# Altium PCB PCB.PcbDoc (continued)
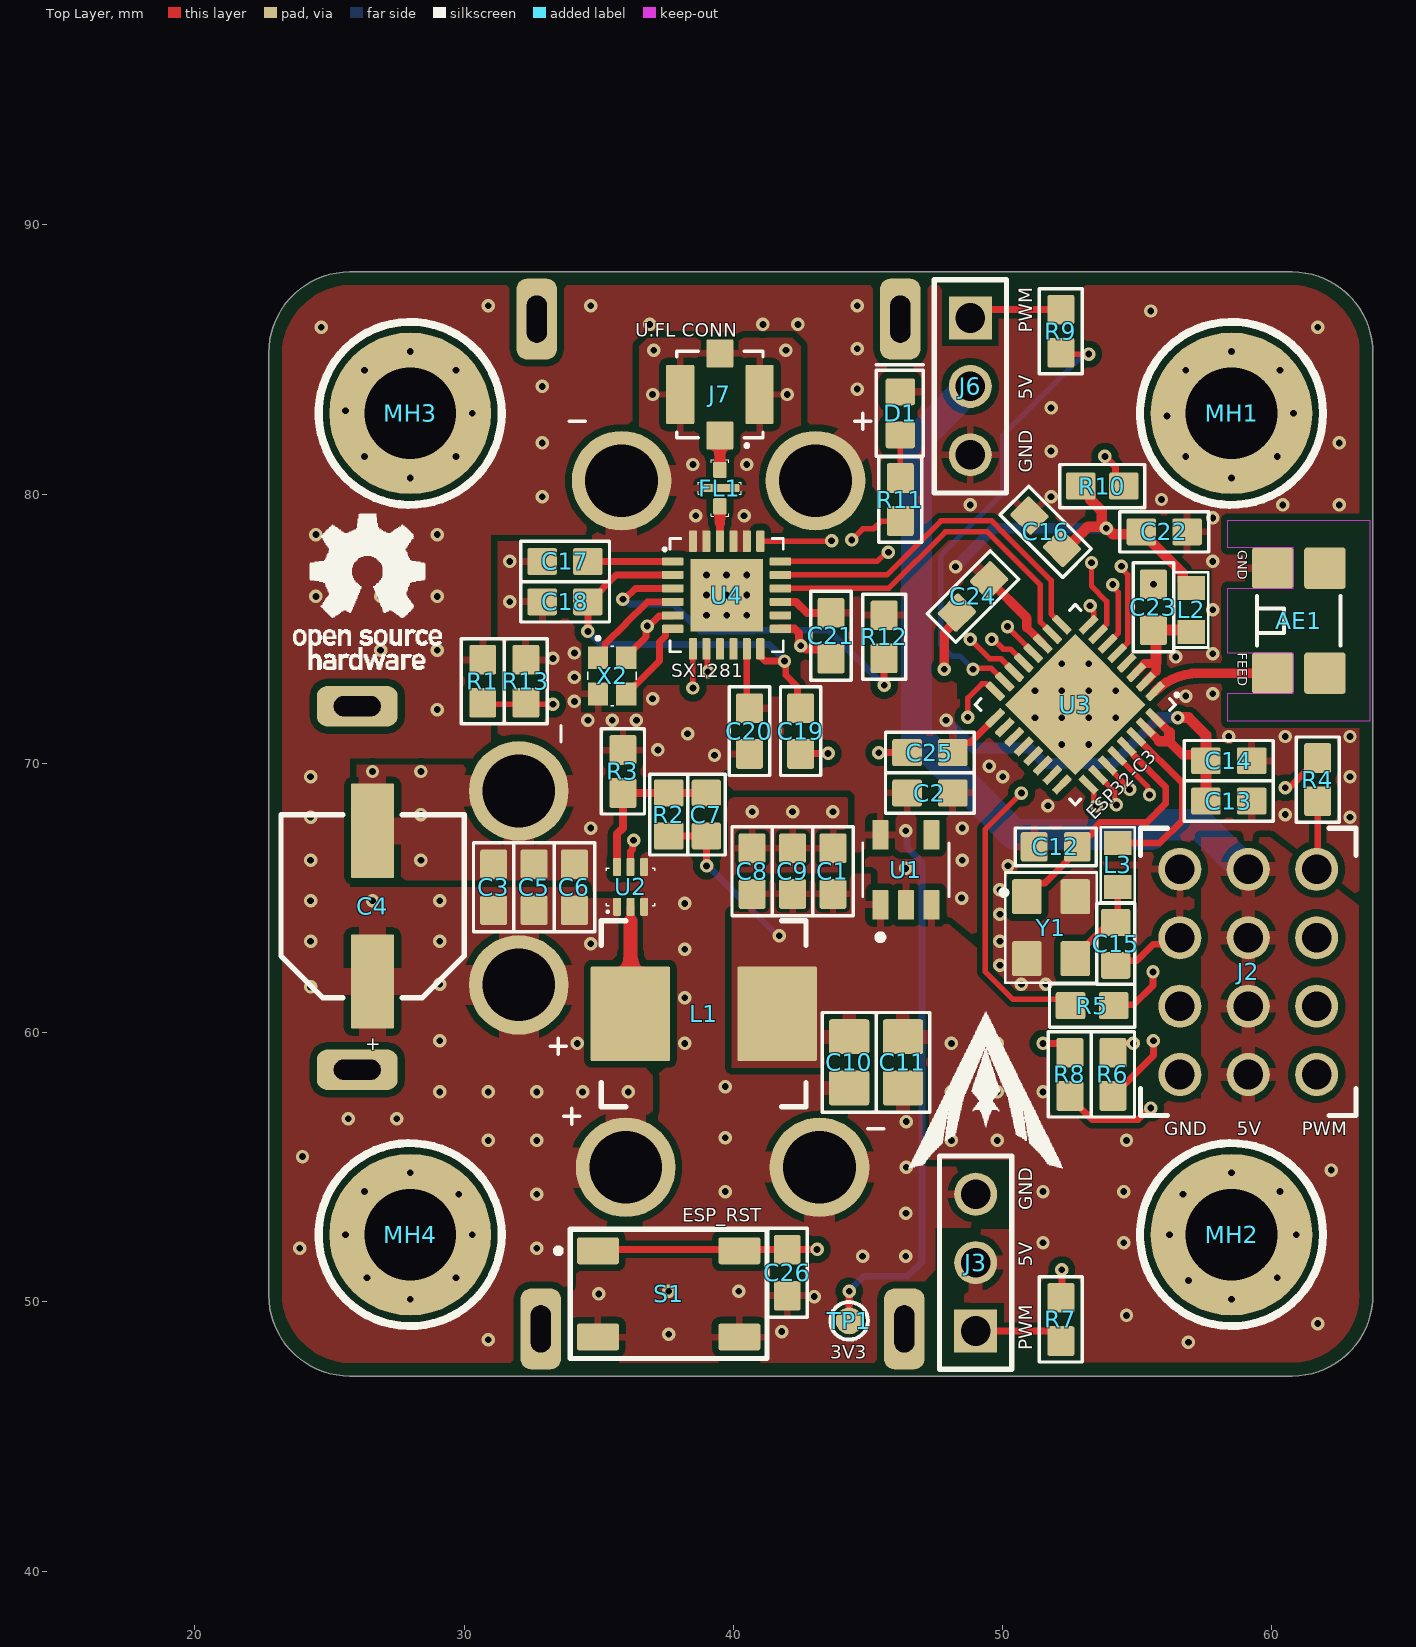
[diagram p0: Top Layer view]
## Footprints (in the part's own frame and the unit in brackets; to place one, negate y for a bottom-side part, rotate by r counter-clockwise, add the part's x,y. Pads: shape width x height; smd on the part's side, far side on the other; paste and mask are expansions set on the pad) (continued)
  rect 3.7x3.7 smd paste-1.4: 33(0,0)
  silkscreen extent -2.97,-2.63 2.63,2.63, body extent -2.5,-2.5 2.5,2.5, height 0.9
FP-0603-L_1_6_0_1-W_0_8_0-IPC_A [mm]
  rrect15% 1.1x1 smd: 1(-0.85,0) 2(0.85,0)
  silkscreen extent -1.65,-0.75 1.65,0.75, body extent -0.87,-0.45 0.87,0.5, height 0.87
IND_GENERIC_0603_MURATA [mm]
  rect 0.89x1.02 smd mask+0.05: 1(-0.814,0) 2(0.814,0)
  silkscreen extent -1.4,-0.64 1.4,0.64, body extent -0.8,-0.4 0.8,0.4, height 1
M3HOLE-STANDARD-Footprint-1 [mm]
  round 6 hole 3.4: 1(0,0)
  silkscreen extent -3.4,-3.4 3.4,3.4
PTS647SN38SMTR2LFS [mm]
  rrect15% 1.55x1 smd mask+0.1: 1(-2.625,1.6) 2(2.625,1.6) 3(-2.625,-1.6) 4(2.625,-1.6)
  silkscreen extent -4.2,-2.4 3.65,2.4, body extent -3.25,-2.25 3.25,2.25, height 3.8
RES0603 [mm] "SMT Resistor 0603"
  rrect15% 1x1.1 smd: 1(-0.8,0) 2(0.8,0)
  silkscreen extent -1.5,-0.7 1.5,0.7, body extent -0.8,-0.4 0.8,0.4, height 0.46
SOT-23-5 [mm]
  rrect10% 1.1x0.6 smd: 1(-1.3,0.95) 2(-1.3,0) 3(-1.3,-0.95) 4(1.3,-0.95) 5(1.3,0.95)
  silkscreen extent -2.61,-1.6 1,1.6, body extent -1.4,-1.45 1.4,1.45, height 1.45
SRP7028A-1R8M-Footprint-1 [mm]
  rrect3% 2.95x3.5 smd: 1(-2.725,0) 2(2.725,0)
  silkscreen extent -3.8,-3.45 3.8,3.45, body extent -3.45,-3.3 3.45,3.3, height 2.81
SX1281IMLTRT-Footprint-1 [mm]
  rect 2.7x2.7 smd paste-2539.97 mask+0.05: 0(0,0)
  rrect25% 0.8x0.3 smd paste-0.05 mask+0.05: 1(-2,1.25) 2(-2,0.75) 3(-2,0.25) 4(-2,-0.25) 5(-2,-0.75) 6(-2,-1.25) 13(2,-1.25) 14(2,-0.75) 15(2,-0.25) 16(2,0.25) 17(2,0.75) 18(2,1.25)
  rrect25% 0.3x0.8 smd paste-0.05 mask+0.05: 7(-1.25,-2) 8(-0.75,-2) 9(-0.25,-2) 10(0.25,-2) 11(0.75,-2) 12(1.25,-2) 19(1.25,2) 20(0.75,2) 21(0.25,2) 22(-0.25,2) 23(-0.75,2) 24(-1.25,2)
  silkscreen extent -2.35,-2.1 2.1,2.1, body extent -2.01,-1.99 1.99,2.01, height 1
TESTINGPOINT_1MM-Footprint-1 [mm]
  round 1 all layers, no hole: 1(0,0)
  silkscreen extent -0.7,-0.7 0.7,0.7
TPS564247DRLR-Footprint-1 [mm]
  rrect33% 0.67x0.3 smd mask+0.05: 1(-0.74,0.5) 2(-0.74,0) 3(-0.74,-0.5) 4(0.74,-0.5) 5(0.74,0) 6(0.74,0.5)
  silkscreen extent -0.93,-0.9 0.7,0.9, body extent -0.8,-0.78 0.8,0.78, height 0.6
TSW-104-07-T-T-Footprint-1 [mm]
  round 1.6 hole 1.1 mask+0.1: 1(-3.81,2.54) 2(-1.27,2.54) 3(1.27,2.54) 4(3.81,2.54) 5(-3.81,0) 6(-1.27,0) 7(1.27,0) 8(3.81,0) 9(-3.81,-2.54) 10(-1.27,-2.54) 11(1.27,-2.54) 12(3.81,-2.54)
  silkscreen extent -5.33,-4 5.33,4, body extent -5.09,-3.74 5.07,3.75, height 0.89
WCAP-ASLI_D6.3H5.5 [mm] "Aluminium Electrolytic V-Chip SMT Capacitors, 6.3x5.5mm"
  rrect6% 3.5x1.6 smd: 1(2.8,0) 2(-2.8,0)
  silkscreen extent -3.4,-3.4 3.4,3.4, body extent -3.65,-3.3 3.65,3.3, height 5.5
XT60PW-F-Footprint-1 [mm] "XT60PW-F-Footprint-1"
  round 3.7 hole 2.7: 1(-3.6,0) 2(3.6,0)
  rrect50% 1.5x3 hole 0.75 slot 1.75 at 90 deg: MH0(-6.75,6) MH1(6.75,6)
  silkscreen extent -7.8,-2.2 7.8,15.6, body extent -7.75,-1.8 7.75,15.4, height 8.4
XT60PW-M-Footprint-1 [mm] "XT60PW-M-Footprint-1"
  round 3.7 hole 2.7: 1(3.6,0) 2(-3.6,0)
  rrect50% 1.5x3 hole 0.75 slot 1.75 at 90 deg: MH0(-6.75,6) MH1(6.75,6)
  silkscreen extent -7.8,-2.2 7.8,16.2, body extent -7.75,-1.85 7.75,16.35, height 8.41

## Part data
AE1: library part CMP-00141-4, "RF ANT 2.4GHZ/5.4GHZ CHIP SLD"
C1 C2 C3 C13 C23 C26: library part CMP-00240-2, "CAP CER 1UF 25V X7R 0603", Capacitance=1uF, Temperature Coefficient=X7R, Tolerance=10%, Voltage Rating=25V, Mounting Technology="Surface Mount"
C4: library part CMP-00362-5, "CAP ALUM 47UF 20% 35V SMD", Capacitance=47uF, Ripple Current @ High Frequency="240 mA @ 100 kHz", Ripple Current @ Low Frequency="156 mA @ 120 Hz", Tolerance=±20%, Voltage=35V, Impedance="530 mOhms"
C5 C9 C16: library part CMP-00056-4, "CAP CER 10UF 25V X5R 0603", Case/Package=0603, Temperature Coefficient=X5R, Voltage Rating=25V
C6: library part CMP-001-00036-3, "CAP CER 0.1UF 25V X7R 0603", Capacitance=0.1uF, Package=0603, Temperature Coefficient=X7R, Voltage Rating=25V
C7: library part CMP-00133-1, "CAP CER 47PF ±5% 50V C0G/NP0 0603", Case/Package=0603, Voltage Rating=50V
C8 C14 C17 C18: library part CMP-00217-1, "CAP CER 10nF 25V X7R 0603", Capacitance=10nF, Package=0603, Temperature Coefficient=X7R, Voltage Rating=25V
C10 C11: library part CMP-001-00015-5, "CAP CER 22UF 16V X5R 0805", Capacitance=22uF, Package=0805, Temperature Coefficient=X5R, Voltage=16V
C12 C15: library part CMP-00410-1, "CAP CER 4.7PF 50V C0G/NPO 0603", Capacitance="4.7 pF", Package / Case=0603, Temperature Coefficient=C0G/NP0, Tolerance=±0.25pF, Voltage=50V
C19: library part CMP-00012-3, "0603 0.47 uF 50 V ±10% Tolerance X7R Multilayer Ceramic Capacitor", Capacitance=470nF, Case Code (Imperial)=0603, Case Code (Metric)=1608, Dielectric=X7R, Max Operating Temperature=125°C, Min Operating Temperature=-55°C, Package Quantity=1, Tolerance=10%, Voltage=50V, Case/Package=0603, Construction=Flat, Depth=0.8mm, Halogen Free="Halogen Free", Height=0.8mm, Lead Free="Lead Free", Length=1.6mm, Mount="Surface Mount", Packaging="Tape and Reel", Radiation Hardening=No, RoHS Compliant=Yes, Series=M, Termination=SMD/SMT, Thickness=0.035inch, Voltage Rating=50V, Voltage Rating (DC)=50V, Width=0.031inch
C20 C21 C22 C24 C25: library part CMP-001-00050-5, "CAP CER 0.1UF 100V X7R 0603", Capacitor Type=Ceramic, Case/Package=0603, Max Operating Temperature=125°C, Min Operating Temperature=-55°C, Package Shape=Rectangular, Package Style=SMTMeter, Rated DC Voltage (URdc)=100V, Temperature Characteristics Code=X7R, Tolerance  (fill in as +-)=10%, Dielectric Material=Ceramic, Height=0.8mm, JESD-609 Code=e3, Length=1.6mm, Mounting Technology="Surface Mount", Multilayer=Yes, Packaging="Tape and Reel", Pins=2, Reach SVHC Compliant=Yes, RoHS Compliant=Yes, Terminal Finish=Nickel, Termination=Wraparound, Tolerance (fill in as +-)=10%, Width=0.8mm
D1: library part CMP-00017-4, "LED BLUE CLEAR 0603 SMD", Color=Blue, Forward Current=20mA, Forward Voltage=2.8V, Package=0603, Wavelength=473nm
FL1: library part CMP-00398-3, "RF FILTER BAND PASS 2.45GHZ 0402", Frequency=2.45GHz, Manufacturer 1="Johanson Technology Inc.", Package=0402, Bandwidth=100MHz, Filter Type="Band Pass", Impedance=50Ω, Insertion Loss=2.5dB
J1: library part CMP-00007-11, "Board Mount XT60PW-M 2 Pin Male Connector", Manufacturer=TME
J2: library part CMP-00354-3, "CONN HEADER VERT 12POS 2.54MM", Manufacturer 1="Samtec Inc.", Contact Finish - Mating="MATTE TIN OVER NICKEL (50)", Mating Pitch=2.54mm, Terminal Length=0.1inch
J3 J6: library part CMP-00111-4, "CONN HEADER VERT 3POS 2.54MM", Connector Type="Male Pin", Mount="Through Hole", Pitch=100mil, Positions=3
J4 J5: library part CMP-00086-5, "Board Mount XT60PW-F 2 Pin Female Connector", Manufacturer=TME
J7: library part CMP-00321-7, "CONN UMC JACK STR SMD", Max Frequency=6GHz, Voltage Rating=60V, Impedance=50Ω, Mounting Type="Surface Mount"
L1: library part CMP-00342-6, "FIXED IND 1.8UH 8.5A 17 MOHM SMD", Current Rating=8.5A, Current Saturation=16A, DC Resistance=17mOhm, Inductance="1.8 µH", Manufacturer 1="Bourns Inc.", Tolerance=±20%
L2: library part CMP-00411-1, "FIXED IND 2.0NH 700MA 0603 5%", Current Rating="700 mA", DC Resistance="130mOhm Max", Frequency - Self Resonant=12GHz, Inductance="2 nH", Inductance Frequency - Test="250 MHz", Package / Case=0603, Tolerance=±5%
L3: library part CMP-00409-2, "FIXED IND 24NH 500MA 0.21OHM SMD", Current Rating="500 mA", DC Resistance="210mOhm Max", Frequency - Self Resonant=3.8GHz, Inductance="24 nH", Inductance Frequency - Test="100 MHz", Package / Case=0603, Tolerance=±5%
MH1 MH2 MH3 MH4: library part CMP-00005-4, "Standard M3 Mounting hole as defined by mech team, see confluence for reasonning", Hole Diam=3.4, Plating Diam=6
R1: library part CMP-00392-1, "RES 43K OHM 1% 1/10W 0603", Case/Package=0603, Max Operating Temperature=155°C, Min Operating Temperature=-55°C, Package Height=0.45mm, Package Length=1.6mm, Package Shape=Rectangular, Package Style=SMTMeter, Package Width=0.8mm, Power=100mW, Rated Temperature=70°C, Resistor Type="FIXED RESISTOR", Temperature Coefficient=100ppm/°C, Tolerance=1%, Working Voltage=75V, Additional Feature="LASER TRIMMABLE", Construction=Chip, JESD-609 Code=e3, Mounting Technology="Surface Mount", Packaging="Tape and Reel", Pins=2, Reach SVHC Compliant=Yes, RoHS Compliant=Yes, Technology="METAL GLAZE/THICK FILM", Terminal Finish=Nickel, Termination=Wraparound
R2: library part CMP-001-00057-4, "RES 73.2K OHM 1% 1/10W 0603", Package=0603, Power=1/10W, Resistance=73.2kΩ, Tolerance=±1%
R3 R10 R12 R13: library part CMP-009-00006-5, "RES 10K OHM 1% 1/10W 0603", Package=0603, Power=1/10W, Resistance=10k, Tolerance=1%
R4 R5 R6 R7 R8 R9: library part CMP-00022-4, "RES 100 OHM 1% 1/10W 0603", Package=0603, Power=1/10W, Resistance=100Ω, Tolerance=±1%
R11: library part CMP-00370-2, "RES 470 OHM 1% 1/10W 0603", Package=0603, Power=1/10W, Resistance=470Ω, Tolerance=1%
S1: library part CMP-00306-4, "SWITCH TACTILE SPST-NO 0.05A 12V", Contact Rating @ Voltage="0.05A @ 12VDC", Operating Temperature Range="-20°C ~ 70°C", Circuit=SPST-NO, Manufacturer Part Number=PTS647SN38SMTR2LFS, Outline="4.50mm x 4.50mm"
TP1: library part CMP-00028-00002-1, "Testing Point 1mm Radius", Radius=1mm
U1: library part CMP-00225-6, "IC REG LINEAR 3.3V 500MA SOT23-5", Current=500mA, Output Voltage="3.3 V"
U2: library part CMP-00320-6, "IC REG BUCK ADJ 6A SOT563", Case/Package=SOT-563, Max Input Voltage=16V, Max Output Voltage=7V, Min Input Voltage=3V, Min Output Voltage=0.6V, Output Current=4A, Switching Frequency=1.2MHz, Mount="Surface Mount"
U3: library part CMP-00408-4, "RF TXRX MOD BLUETOOTH WIFISMD", Current - Receiving="84mA ~ 87mA", Current - Transmitting="276mA ~ 335mA", Frequency="2.402GHz ~ 2.48GHz", Manufacturer="Espressif Systems", Package=32-VFQFN, Voltage=3-3.6V, ComponentLink1Description=Datasheet, ComponentLink1URL=https://www.espressif.com/sites/default/files/documentation/esp32-c3_datasheet_en.pdf, Data Rate=54Mbps, Memory=4MB, Protocol="802.11b/g/n, Bluetooth v5.0"
U4: library part CMP-001-0019-3, "IC RF TXRX 802.15.4 24QFN", Package Name=24-WFQFN, Mounting Type=SMD
X2: library part CMP-00324-2, "CRYSTAL 52.0000MHZ 10PF SMD", Capacitance=10pF, Equivalent Series Resistance="50 Ohms", Frequency="52 MHz", Operating Mode=Fundamental
Y1: library part CMP-00157-4, "CRYSTAL 40.0000MHZ 6PF SMD", Equivalent Series Resistance="50 Ohms", Frequency="40 MHz", Frequency Stability=±10ppm, Load Capacitance=6pF, Frequency Tolerance=±10ppm

## Via types
v1: diameter 0.5, hole 0.25, Top Layer to Bottom Layer, tented both sides, 251 vias

## Nets (pads, with @x,y where several pads share a name; then routed paths per layer and width w, separated by ;. In a path a pad name is that pad's centre, name@x,y a point inside that pad or via, vN(x,y) a via of type N, cw(c..) or ccw(c..) an arc to the next point about the centre after c; other vN are vias at no path point)
+3V3: C2.2 C13.2 C14.2 C16.2 C20.2 C21.2 C22.2 C24.2 C25.2 L2.1 R10.2 R12.2 TP1.1 U1.5 U3.11 U3.17 U3.31 U3.32 U4.11 U4.15 | length 62.1
  Top Layer w0.254: U4.11 40.5,72.15 C20.2 ; TP1.1 v1(44.3,50.4) ; C25.2 48.523,70.773 48.808,70.773 U3.17
  Top Layer w0.3: U4.15 42.334,76 42.744,75.59 C21.2 ; 50.901,75.04 U3.11
  Top Layer w0.32: U3.31 55.825,70.823 ; U3.32 56.2,71.155
  Top Layer w0.35: C24.2 50.901,75.401 50.901,75.04 ; 56.177,70.823 56.68,70.32 57.33,70.32 C14.2
  Top Layer w0.4: C16.2 52.39,77.999 53.175,78.785 53.771,78.785 53.824,78.731 v1(53.852,78.731) ; R10.2@52.935,80.312 52.938,80.312 53.25,80 53.25,79.802 53.68,79.371 53.68,78.929 53.864,78.745 53.864,78.743 53.866,78.743 54.103,78.506 55.029,78.506 C22.2@55.123,78.6 ; C22.2@55.185,78.612 55.188,78.612 55.5,78.3 55.5,78.251 56.69,77.061 56.69,76.759 56.935,76.514 L2.1@56.998,76.514 ; 55.825,70.823 56.177,70.823 ; 56.2,70.823 56.2,71.155 ; v1(56.5,71.7) 56.9,71.7 57.55,71.05 C14.2 C13.2
  Bottom Layer w0.254: v1(44.3,50.4) 44.858,50.958 46.474,50.958 47.002,51.486 47.002,66.314 46.447,66.869 46.447,67.453 v1(46.4,67.5)
  Bottom Layer w0.4: v1(47.9,71.6) 48.923,70.577 50.987,70.577 51.564,70 54.1,70 55.8,71.7 v1(56.5,71.7) ; v1(48.252,77.3) 49.682,78.731 v1(53.852,78.731)
+5V: C1.2 C7.2 C8.2 C9.2 C10.2 C11.2 J2.5 J2.6 J2.7 J2.8 J3.2 J6.2 L1.2 R2.2 U1.1 U1.3 | length 34.8
  Top Layer w0.254: R2.2 C7.2 39.006,67.294 v1(39.006,66.193)
  Bottom Layer w0.254: v1(39.006,66.193) 39.056,66.193 41.649,63.6 v1(41.7,63.6)
  Bottom Layer w1.16: J6.2 46.8,82 46.8,71.004 50.444,67.36 55.527,67.36 55.894,67.727 57.343,67.727 59.003,66.067 J2.5
  other v1: 56.9,48.5 61.7,49.2 54.6,49.5 51.5,52.2 54.5,52.2 51.5,54.1 54.5,54.1 62.2,54.9 48.1,56 49.8,56 51.5,56 54.6,56 48.1,57.8 49.8,57.8 51.5,57.8 48.1,59.6 49.8,59.6
EN: R1.1 R13.2 U2.5 | length 10
  Top Layer w0.203: R1.1 30.745,72.2 v1(33.3,72.2)
  Top Layer w0.254: U2.5 36.184,66.737 36.253,66.806 36.253,67.11 v1(36.293,67.15)
  Layer 2 w0.254: v1(33.3,72.2) 33.3,71.222 36.293,68.228 v1(36.293,67.15)
ESP_ANT: AE1.1 U3.1 | length 4.5
  Top Layer w0.364: U3.1 cw(c57.283,71.062) 57.283,73.35 AE1.1
ESP_EN: C26.2 R10.1 S1.1 S1.2 U3.7 | length 52.6
  Top Layer w0.203: v1(53.3,77.452) 53.3,76.58 53.859,76.021 53.859,75.164 53.544,74.848 U3.7
  Top Layer w0.254: S1.1 35.026,51.951 v1(43.11,51.951) ; v1@53.847,81.447 v1(53.8,81.4) 54.197,81.003 54.197,80.603 R10.1
  Layer 2 w0.203: v1(53.3,77.452) 53.3,80.9 v1(53.8,81.4)
  Layer 2 w0.254: v1(43.11,51.951) 43.822,51.951 45.848,53.977 45.848,58.248 49.052,61.452 49.052,65.952 50.948,67.848 51.928,67.848 55,70.92 55,80.2 v1(53.8,81.4)
ESP_PWR: C23.2 L2.2 U3.2 U3.3 | length 4.4
  Top Layer w0.32: U3.3 55.277,73.706 ; U3.2 55.7,73.422
  Top Layer w0.34: 55.277,73.706 55.525,73.706
  Top Layer w0.35: 55.7,73.422 55.7,73.531 55.7,73.706 55.7,73.741
  Top Layer w0.4: 55.7,73.741 55.7,74.95 57.236,74.95 L2.2@57.3,74.886
FB: C7.1 R2.1 R3.2 U2.6 | length 5.9
  Top Layer w0.3: U2.6 35.684,67.389 35.9,67.605 R3.2 R2.1 C7.1
FL_OUT: FL1.3 J7.1 | length 1.3
  Top Layer w0.374: FL1.3 J7.1
GND: AE1.2 C1.1 C2.1 C3.1 C4.2 C5.1 C6.1 C8.1 C9.1 C10.1 C11.1 C12.2 C13.1 C14.1 C15.2 C16.1 C17.1 C18.2 C19.2 C20.1 C21.1 C22.1 C23.1 C24.1 C25.1 C26.1 D1.2 FL1.2 J1.2 J2.9 J2.10 J2.11 J2.12 J3.3 J4.2 J5.2 J6.3 J7.2 J7.3 J7.4 R3.1 R13.1 S1.3 S1.4 U1.2 U2.3 U2.4 U3.33 U4.0 U4.5 U4.13 U4.20 U4.21 U4.23 U4.24 X2.2 X2.4 Y1.2 Y1.4 | length 12.4
  Top Layer w0.254: X2.4 36.025,73.975 36.753,74.703 36.753,75.053 v1(36.8,75.1) 36.86,75.1 37.237,75.477 37.727,75.477 U4.5 ; C19.2 42.52,70.37 v1(43.517,70.37) ; v1(45.4,70.4) C25.1 ; C15.2 54.373,62.673 54.982,62.673 55.596,63.287 56.342,63.287 J2.10
  Top Layer w0.3: U4.13 42.278,75 42.442,74.836 42.442,74.491 42.5,74.433 v1(42.5,74.367) 42.567,74.367 42.696,74.238 43.277,74.238 C21.1
  Top Layer w0.35: v1(47.83,73.5) 47.83,74.858 48.299,75.326 C24.1
  other v1: 37.6,48.8 41.8,48.9 43,50.2 35,50.3 37.6,50.4 40.2,50.4 44.8,51.7 46.4,51.7 46.408,53.292 39.7,54.1 46.425,55 39.7,56.1 46.425,56.7 39.7,58 38.2,59.6 38.2,61.3 50.7,61.8 51.6,61.8 49.9,62.5 38.2,63.1 49.9,63.4 49.9,64.4 38.2,64.8 48.475,65 49.9,65.3 46.4,66.1 50.2,66.2 28.4,66.4 48.5,66.4 34.7,67.6 48.5,67.6 62.9,68 28.4,68.1 60.5,68.1 40.7,68.2 42.2,68.2 43.7,68.2 51.682,68.425 50,69.5 62.9,69.5 26.6,69.7 28.4,69.7 49.5,69.9 39.3,70.3 37.2,70.5 52.2,70.7 53.2,70.7 58.4,71 60.5,71 62.9,71 38.3,71.1 34.6,71.6 35.5,71.6 36.4,71.6 51.2,71.7 52.2,71.7 53.2,71.7 54.2,71.7 34.1,72.3 37,72.4 56.8,72.5 57.8,72.586 51.2,72.7 52.2,72.7 53.2,72.7 54.2,72.7 34.1,73.2 52.2,73.7 53.2,73.7 33.3,73.9 56.425,73.955 57.8,74.068 34.1,74.1 39,75.5 39.757,75.5 40.5,75.5 57.8,75.703 31.7,76 39,76.25 39.75,76.25 40.5,76.25 55.6,76.65 39,77 39.75,77 40.5,77 31.7,77.5 57.8,77.5 57.8,79.116 38.6,79.2 40.4,79.2 48.8,79.6 60.4,79.6 62.5,79.6 55.9,79.8 51.8,79.9 38.5,81.1 40.5,81.1 51.8,81.6 62.5,81.9 51.8,83.2 37,83.7 42,83.7 37.049,85.345 41.951,85.345 61.7,86.2 55.5,86.8
J2_1: J6.1 R9.2 | length 3.3
  Top Layer w0.254: J6.1@49,86.54 49.31,86.85 R9.2
J2_2: J2.2 R5.2 | length 9
  Top Layer w0.254: R5.2@54.084,61.055 54.102,61.038 54.866,61.038 55.584,61.755 v1(55.584,62.255)
  Layer 2 w0.254: v1@55.6,62.2 60.6,62.2 J2.2@61.8,63.4
J2_3: J2.4 R8.2 | length 10.1
  Top Layer w0.254: R8.2 52.498,57.6 53.325,56.773 55.035,56.773 55.462,57.2 v1(55.5,57.2)
  Layer 2 w0.254: v1(55.5,57.2) 60.415,57.2 J2.4@61.535,58.32
J2_4: J3.1 R7.2 | length 3.3
  Top Layer w0.254: J3.1 51.794,48.92 R7.2
J2_5: J2.3 R6.2 | length 9.4
  Top Layer w0.254: R6.2 55.6,59.152 v1(55.6,59.7)
  Layer 2 w0.254: v1(55.6,59.7) 60.64,59.7 J2.3@61.8,60.86
J2_6: J2.1 R4.2 | length 2.6
  Top Layer w0.203: J2.1 J2.1@61.7,66.105
  Top Layer w0.254: J2.1@61.7,66.105 R4.2@61.7,68.7
LED: R11.2 U3.14 | length 10.4
  Top Layer w0.203: v1(44.4,78.3) 44.814,78.714 45.214,78.714 45.5,79 R11.2 ; v1(48.8,74.603) 49.514,73.889 49.93,73.889 U3.14
  Layer 2 w0.203: v1(44.4,78.3) 44.904,77.796 44.904,77.465 47.766,74.603 v1(48.8,74.603)
LED_R: D1.1 R11.1 | length 1.6
  Top Layer w0.203: R11.1 D1.1
NetL3_1: L3.1 U3.30 | length 6.6
  Top Layer w0.254: L3.1 55.83,67.043 56.673,67.886 56.673,69.268 U3.30
PWM1: R9.1 U3.15 | length 17.2
  Top Layer w0.203: v1(48.899,73.5) 48.928,73.529 49.583,73.529 U3.15 ; R9.1 52.214,85.2 v1(53.2,85.2)
  Bottom Layer w0.203: v1(48.899,73.5) 48.42,73.98 48.123,73.98 47.7,74.403 47.7,77.72 50,80.02 50,82.18 52.963,85.143 53.143,85.143 v1(53.2,85.2)
PWM2: R5.1 U3.16 | length 16.6
  Top Layer w0.203: v1(48.71,71.71) 48.71,72.436 49.232,72.958 49.4,72.958 49.678,72.68 U3.16 ; v1(50.7,68.9) 49.348,67.548 49.348,62.272 50.372,61.248 52.28,61.248 R5.1
  Layer 2 w0.254: v1(48.71,71.71) 48.71,71.69 50.742,69.658 50.742,68.942 v1(50.7,68.9)
PWM3: R8.1 U3.25 | length 11.7
  Top Layer w0.203: U3.25 53.19,69.168 53.381,68.977 53.381,68.59 53.472,68.499 v1(53.472,68.419)
  Top Layer w0.254: v1(51.5,59.6) 51.501,59.599 52.149,59.599 R8.1
  Layer 2 w0.203: v1(51.5,59.6) 53.472,61.572 v1(53.472,68.419)
PWM4: R7.1 U3.26 | length 20.5
  Top Layer w0.203: U3.26 54.168,68.944 54.168,68.515 v1(54.225,68.459)
  Top Layer w0.254: R7.1@52.2,50.15 v1(52.2,51.2)
  Layer 2 w0.203: v1(52.2,51.2) 52.812,51.812 52.812,54.992 54.225,56.405 v1(54.225,68.459)
PWM5: R6.1 U3.27 | length 11.6
  Top Layer w0.203: U3.27 53.897,69.886 54.713,69.07 v1(54.713,69.034) ; R6.1 54.448,59.6 v1(54.85,59.6)
  Layer 2 w0.203: v1(54.713,69.034) 54.769,68.977 54.769,68.694 54.777,68.687 54.777,59.754 54.85,59.68 v1(54.85,59.6)
PWM6: R4.1 U3.28 | length 8.9
  Top Layer w0.203: U3.28 55.398,69.129 55.398,68.886 v1(55.455,68.83)
  Top Layer w0.254: v1(60.5,69.1) 60.547,69.147 60.697,69.147 61.7,70.15 R4.1@61.7,70.3
  Layer 2 w0.254: v1(55.455,68.83) 60.163,68.83 60.433,69.1 v1(60.5,69.1)
SW: L1.1 U2.2 | length 4
  Top Layer w0.3: 36.184,64.149 36.184,64.2 U2.2
  Top Layer w0.508: L1.1@36.184,60.709 36.184,64.149
  Top Layer w0.635: L1.1 L1.1@36.184,60.709
SX_BUSY: U3.8 U4.7 | length 19.3
  Top Layer w0.203: v1(38.5,72.8) 38.497,72.803 38.497,74.245 U4.7 ; U3.8 53.381,75.346 53.381,75.639 53.246,75.774 v1(53.246,75.854)
  Layer 2 w0.203: v1(38.5,72.8) 39.681,71.619 47.24,71.619 48.216,72.595 49.986,72.595 v1(53.246,75.854)
SX_CLK: U3.12 U4.18 | length 11.7
  Top Layer w0.203: U4.18 45.34,77.5 45.68,77.84 v1(45.76,77.84) ; v1(50.181,75.081) 50.181,75.067 51.139,74.108 U3.12
  Layer 2 w0.203: v1@45.772,77.852 48.379,77.852 50.238,75.994 50.238,75.138 v1(50.181,75.081)
SX_DIO1: U3.5 U4.8 | length 21.4
  Top Layer w0.203: U4.8 39.024,74.226 39.024,73.424 v1(39.048,73.4) ; U3.5 54.655,74.498 54.655,77.001 54.411,77.244 v1(54.411,77.324)
  Layer 2 w0.203: v1(39.048,73.4) 40.574,73.4 40.654,73.319 43.978,73.319 44.71,74.052 50.14,74.052 52.989,76.9 53.562,76.9 53.93,77.268 54.355,77.268 v1(54.411,77.324)
SX_MISO: U3.10 U4.16 | length 13.3
  Top Layer w0.203: U4.16 45.77,76.5 47.87,78.6 49.43,78.6 51.398,76.631 51.398,75.249 U3.10
SX_MOSI: U3.9 U4.17 | length 13.6
  Top Layer w0.203: U4.17 45.7,77 47.703,79.003 49.597,79.003 50,78.6 51.802,76.798 51.802,75.553 U3.9
SX_NRST: R12.1 U3.6 U4.3 | length 26.5
  Top Layer w0.203: U3.6 54.3,74.851 54.3,76.352 54.09,76.562 v1(54.09,76.642)
  Top Layer w0.254: v1(35.9,76.1) 35.967,76.1 36.367,76.5 U4.3 ; v1(45.6,72.9) R12.1
  Layer 2 w0.203: v1(45.6,72.9) 49.511,72.9 53.206,76.595 54.043,76.595 v1(54.09,76.642)
  Bottom Layer w0.254: v1(35.9,76.1) 35.967,76.1 36.145,75.921 37.763,75.921 38.761,74.923 40.756,74.923 40.777,74.944 43.556,74.944 v1(45.6,72.9)
SX_NSS: U3.13 U4.19 | length 12.6
  Top Layer w0.203: U4.19@41.02,78.25 43.628,78.25 v1(43.647,78.268) ; v1(49.597,74.603) 49.665,74.603 50.023,74.245 50.287,74.245 50.786,73.746 U3.13
  Layer 2 w0.203: v1(43.647,78.268) 43.647,78.327 44.172,78.852 44.628,78.852 45.208,78.272 45.208,77.592 45.512,77.288 46.912,77.288 v1(49.597,74.603)
SX_PA: C17.2 U4.1 | length 3.2
  Top Layer w0.254: C17.2 U4.1
SX_RF: FL1.1 U4.22 | length 1.3
  Top Layer w0.3: U4.22 39.5,78.566 39.5,78.91
  Top Layer w0.374: 39.5,78.91 FL1.1
SX_VIN: C18.1 C19.1 U4.2 U4.12 | length 15.7
  Top Layer w0.254: v1(34.6,74.9) C18.1 34.65,76 35.65,77 U4.2 ; U4.12 41.023,74.227 41.023,73.949 41.172,73.8 v1(41.9,73.8) 41.947,73.753 41.947,73.274 42.389,72.832 42.389,72.161 C19.1
  Bottom Layer w0.254: v1(34.6,74.9) 35.087,74.413 41.321,74.413 41.9,73.834 v1(41.9,73.8)
SX_XTA: U4.4 X2.1 | length 3.8
  Top Layer w0.254: X2.1 35.223,74.173 35.223,74.407 36.014,75.198 36.014,75.209 36.805,76 U4.4
SX_XTB: U4.6 X2.3 | length 3.3
  Top Layer w0.254: X2.3 36.025,72.625 36.273,72.873 36.323,72.873 37.256,73.806 37.256,74.506 37.477,74.727 37.477,74.977 37.5,75 U4.6
VBATT_12V: C3.2 C4.1 C5.2 C6.2 J1.1 J4.1 J5.1 R1.2 U2.1
  other v1: 30.9,48.6 23.9,52 32.7,52 32.7,54 24,55.4 30.9,56 32.7,56 25.7,56.8 27.5,56.8 29.1,57.8 30.9,57.8 32.7,57.8 34.4,57.8 36.1,57.8 34.2,59.6 29.1,59.7 24.3,61.7 29.1,61.8 34.7,63.3 24.3,63.4 29.1,63.4 24.3,64.9 26.6,64.9 29.1,64.9 24.3,66.4 24.3,68 24.3,69.5 29,72 26.9,74.2 29,74.2 24.5,76.2 26.9,76.2 29,76.2 24.5,78.5 26.8,78.5 29,78.5 32.9,79.9 32.9,81.9 44.6,83.9 32.9,84 44.6,85.4 24.7,86.2 36.9,86.3 41.1,86.3 42.4,86.3 30.9,87 34.7,87 44.6,87
XIN: C15.1 L3.2 Y1.3 | length 3.3
  Top Layer w0.254: Y1.3 52.7,62.85 54.277,64.427 L3.2
XOUT: C12.1 U3.29 Y1.1 | length 9.5
  Top Layer w0.254: Y1.1 50.9,65.134 51.323,65.557 51.576,65.557 52.398,66.379 52.398,66.529 C12.1 52.771,66.952 53.144,67.325 53.241,67.325 53.44,67.524 53.44,67.624 53.632,67.815 55.356,67.815 56.056,68.515 56.056,69.124 54.845,70.335 54.845,70.377 54.604,70.618 U3.29
pads on no net: AE1.3 AE1.4 J1.MH0 J1.MH1 J4.MH0 J4.MH1 J5.MH0 J5.MH1 MH1.1 MH2.1 MH3.1 MH4.1 U1.4 U3.4 U3.18 U3.19 U3.20 U3.21 U3.22 U3.23 U3.24 U4.9 U4.10 U4.14
copper on no net:
  other v1: 28,50.1 58.5,50.1 56.9,50.8 26.4,50.9 29.7,50.9 60.2,50.9 25.6,52.5 30.3,52.5 56.2,52.5 60.9,52.5 29.8,54 56.7,54 26.3,54.1 60.3,54.1 28,54.8 58.5,54.8 28,80.6 58.5,80.6 26.3,81.4 29.7,81.4 56.8,81.4 60.2,81.4 56.1,82.9 30.3,83 60.8,83 25.6,83.1 26.3,84.6 29.7,84.6 56.8,84.6 60.3,84.6 28,85.3 58.5,85.3

## Polygon pours and split planes (outlines as drawn)
GND on Layer 1 "GND_L02_P020" (solid, pour order 20): 23.25,50.25 23.25,85.25 cw(c25.75,85.25) 25.75,87.75 60.75,87.75 cw(c60.75,85.25) 63.25,85.25 63.25,50.25 cw(c60.75,50.25) 60.75,47.75 25.75,47.75 cw(c25.75,50.25)
+3V3 on Top Layer "+3V3_L01_P032" (solid, pour order 32): 44.9,76.25 46.2,76.25 46.2,76.5 47.995,78.295 49.302,78.292 50.77,76.914 48.289,74.434 48.289,72.406 49.187,72.169 49.828,71.528 48.859,70.559 48.289,71.011 48.289,69 47.5,69 47.5,66.7 44.5,66.7 44.5,68.818 44.318,69 40.01,69 39.8,69.2 39.8,72.483 42.5,72.483 42.5,76.25 44,76.25
GND on Top Layer "GND_L01_P022" (solid, pour order 22): 34.752,78.768 36.5,78.768 36.5,85.5 36.809,85.809 42.191,85.809 42.5,85.5 42.5,79.254 43.888,77.866 34.752,77.866
VBATT_12V on Top Layer "VBATT_12V_L01_P023" (solid, pour order 23): 23.25,85.5 cw(c25.874,85.125) 25.5,87.75 45.75,87.75 45.75,80 42.2,80 42.2,85.5 36.8,85.5 36.8,78.5 31,78.5 31,73.75 31,70.2 25.75,70.2 25.75,65.4 34.5,65.4 34.5,65 35.8,65 35.8,63 35.25,62.45 34.7,62.45 34.7,58.9 36.562,58.9 37,58.4 37,52.8 33.9,52.8 33.9,47.75 25.5,47.75 cw(c25.875,50.375) 23.25,50 23.25,61
GND on Top Layer "Top Layer-GND" (solid, pour order 33): 33.9,47.75 47.5,47.75 47.5,52.75 50.4,52.75 50.4,55.52 47.7,55.52 47.7,58.95 40.05,58.95 40.05,65.889 44.389,65.889 44.389,66.7 44.9,66.7 44.9,65.889 45.142,65.558 47.933,64.096 51.69,59.3 51.69,56.81 63.25,56.9 63.25,85.5 ccw(c60.626,85.125) 61,87.75 42.2,87.75 42.2,69 41.129,69 41.129,70.9 39.8,70.9 39.8,72.9 36.638,72.9 36.638,78.5 31,78.5 31,70.2 25.75,70.2 25.75,65.4 34.5,65.4 34.5,65.001 36.533,65.001 36.533,63.045 36.801,62.7 37.5,62.7 37.5,58.7 36.731,58.1 36.638,52.75 33.9,52.75
+5V on Top Layer "+5V_L01_P024" (solid, pour order 24): 39.943,65.894 39.943,58.706 47.277,58.706 47.277,55.28 50.343,55.28 50.343,52.706 47.443,52.706 47.443,47.755 60.502,47.755 ccw(c60.727,50.255) 63.227,50.48 63.227,64.73 59.943,67.256 57.377,67.256 57.377,57.556 53.443,57.556 52.643,58.356 51.743,58.356 51.743,60.905 47.726,64.256 45.103,64.256 45.103,65.894
VBATT_12V on Bottom Layer "VBATT_12V_L04_P025" (solid, pour order 25): 37,76.4 37,47.75 25.5,47.75 cw(c25.875,50.375) 23.25,50 23.25,85.5 cw(c25.875,85.125) 25.5,87.75 45.7,87.75 45.7,81.4 41.95,77.401 37.902,77.401
GND on Bottom Layer "GND_L04_P028" (solid, pour order 28): 45.7,87.75 61,87.75 cw(c60.625,85.125) 63.25,85.5 63.25,57.3 55.912,57.3 47.475,57.3 47.475,47.75 37,47.75 37,65.759 37,75.313 38.4,75.313 38.4,77.4 45.7,77.4
+5V on Bottom Layer "+5V_L04_P027" (solid, pour order 27): 47,47.737 53.9,47.75 60.988,47.75 ccw(c60.75,50.25) 63.25,50.012 63.25,57.3 60.885,57.3 60.885,66.4 57.375,66.4 57.375,57.3 54.3,57.3 49.4,60.6 47,60.6
GND on Layer 2 "GND_L03_P019" (solid, pour order 19): 23.25,50.25 23.25,85.25 cw(c25.75,85.25) 25.75,87.75 60.75,87.75 cw(c60.75,85.25) 63.25,85.25 63.25,50.25 cw(c60.75,50.25) 60.75,47.75 25.75,47.75 cw(c25.75,50.25)

## Other copper
Top Layer:
  pour cut-out: 56.25,75.562 56.25,75.9 56.262,75.912 56.3,75.874 57.604,75.874 57.604,75.562
  pour cut-out: 54.9,77.4 54.9,75.8 56.3,75.8 56.3,77.4
  pour cut-out: 40.45,84.602 40.45,82.6 38.55,82.6 38.55,84.602
  pour cut-out: 47.5,47.75 46.725,50.766 47.106,50.766 47.5,51.2 48.576,50.541 48.576,49.989 47.946,49.989 47.946,47.905 47.791,47.75
  pour cut-out: 52.924,48.682 52.924,49.763 52.826,49.666 52.826,49.21
  pour cut-out: 51.367,48.538 51.367,50.147 51.464,50.05 51.464,49.354
  pour cut-out: 51.401,87.188 51.401,87.623 52.934,87.623 52.934,84.5 51.401,84.5
Layer 1:
  pour cut-out: 54.898,77.408 54.898,75.8 56.298,75.8 56.298,77.408
  pour cut-out: 58.4,79 63.6,79 63.6,71.6 58.4,71.6
Layer 2:
  pour cut-out: 53.593,80.896 53.953,80.896 54.969,79.881 54.969,77.613 54.895,77.539 53.659,77.539 53.659,77.826 53.454,78.031 53.454,80.667
  pour cut-out: 38.957,72.878 39.466,72.878 39.736,73.148 39.788,73.096 44.186,73.096 44.186,73.263 44.81,73.887 44.883,73.814 47.981,73.814 47.981,73.502 48.023,73.46 48.002,73.44 47.295,73.44 46.151,72.296 45.434,72.296 45.434,71.984 45.299,71.849 39.799,71.849
  pour cut-out: 54.9,77.4 54.9,75.8 56.3,75.8 56.3,77.4
  pour cut-out: 58.35,79 63.6,79 63.6,71.6 58.35,71.6
Bottom Layer:
  pour cut-out: 38.5,81.604 37.641,81.604 37.641,80.596 38.5,80.596
  pour cut-out: 39.896,81 39.896,79.3 40.904,79.3 40.904,81
  pour cut-out: 35.486,76.39 36.346,75.53 36.346,74.731 35.091,74.731 34.5,75.404
  pour cut-out: 34.517,74.228 34.441,74.153 34.441,72.108 36.569,72.108 36.615,72.153 36.615,72.699 36.895,72.699 37.092,72.895 37.084,72.903 37.084,74.145

## Silkscreen, mask and mechanical layers (free items; w line width, h text height)
Top Overlay:
  drawing of 29 lines, arcs and shapes, not listed
  text "PWM" at 51.1,86 h0.5 r90
  text "U.FL CONN" at 36.35,85.845 h0.5
  text "5V" at 51.1,83.5 h0.5 r90
  text "GND" at 51.1,80.8 h0.5 r90
  text "SX1281" at 37.7,73.2 h0.5
  text "ESP32-C3" at 53.409,67.878 h0.5 r45
  text "GND" at 56,56.2 h0.5
  text "5V" at 58.7,56.2 h0.5
  text "PWM" at 61.1,56.2 h0.5
  text "GND" at 51.1,53.4 h0.5 r90
  text "ESP_RST" at 38.1,52.983 h0.5
  text "5V" at 51.1,51.3 h0.5 r90
  text "PWM" at 51.1,48.2 h0.5 r90
  text "3V3" at 43.6,47.9 h0.5
Bottom Overlay:
  drawing of 178 lines, arcs and shapes, not listed
  text "PWM" at 51.2,87.6 h1 r90
  text "5V" at 51.185,84.5 h1 r90
  text "GND" at 51.185,82.1 h1 r90
  text "12V-5V Buck Converter + ELRS Receiver" at 56.5,75.43 h2
  text "Kenny Na" at 56.3,73.956 h1.6
  text "Fall 2024" at 56.3,72.324 h1.6
  text "GND" at 57.5,68.015 h1
  text "5V" at 59.7,68.015 h1
  text "PWM" at 62.6,68 h1
  text "GND" at 51.385,54.8 h1 r90
  text "5V" at 51.385,52 h1 r90
  text "PWM" at 51.4,49.8 h1 r90
M1 Board Outline:
  the board outline again, w0.2

## Text inside footprints (layer, text, board x,y; h text height)
AE1: Top Overlay "GND" at 58.6,77.908 h0.6 r270; Top Overlay "FEED" at 58.6,74.116 h0.6 r270
C4: Top Overlay "+" at 26.398,59.847 h0.5 r270